# KiCad board kongChoc.kicad_pcb
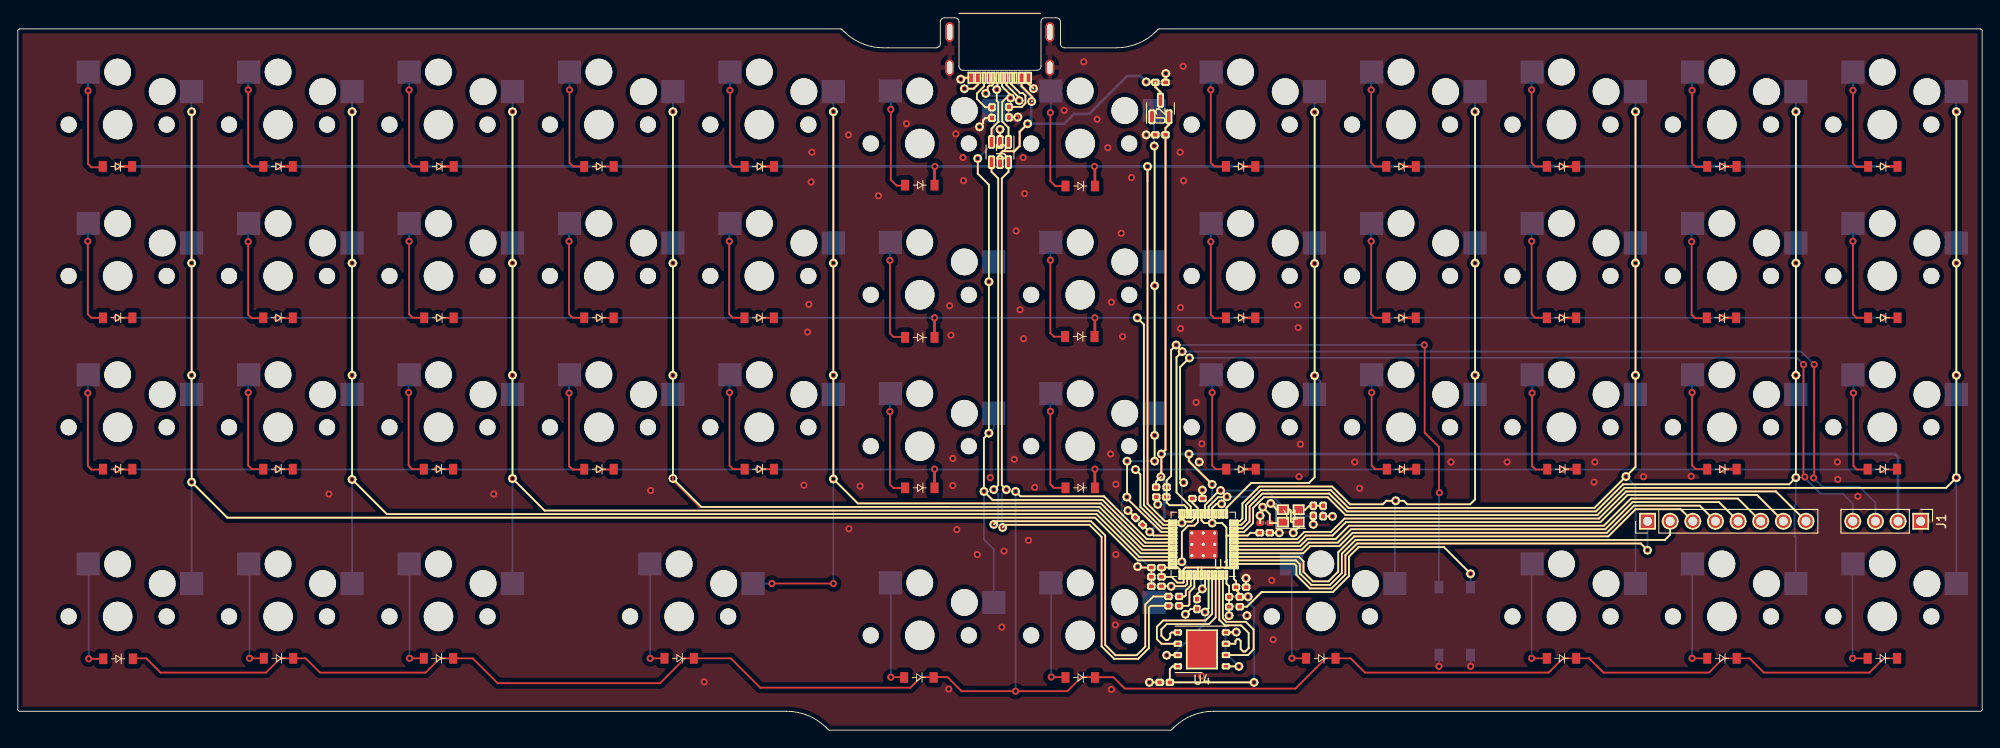
[diagram p0: board, top side]
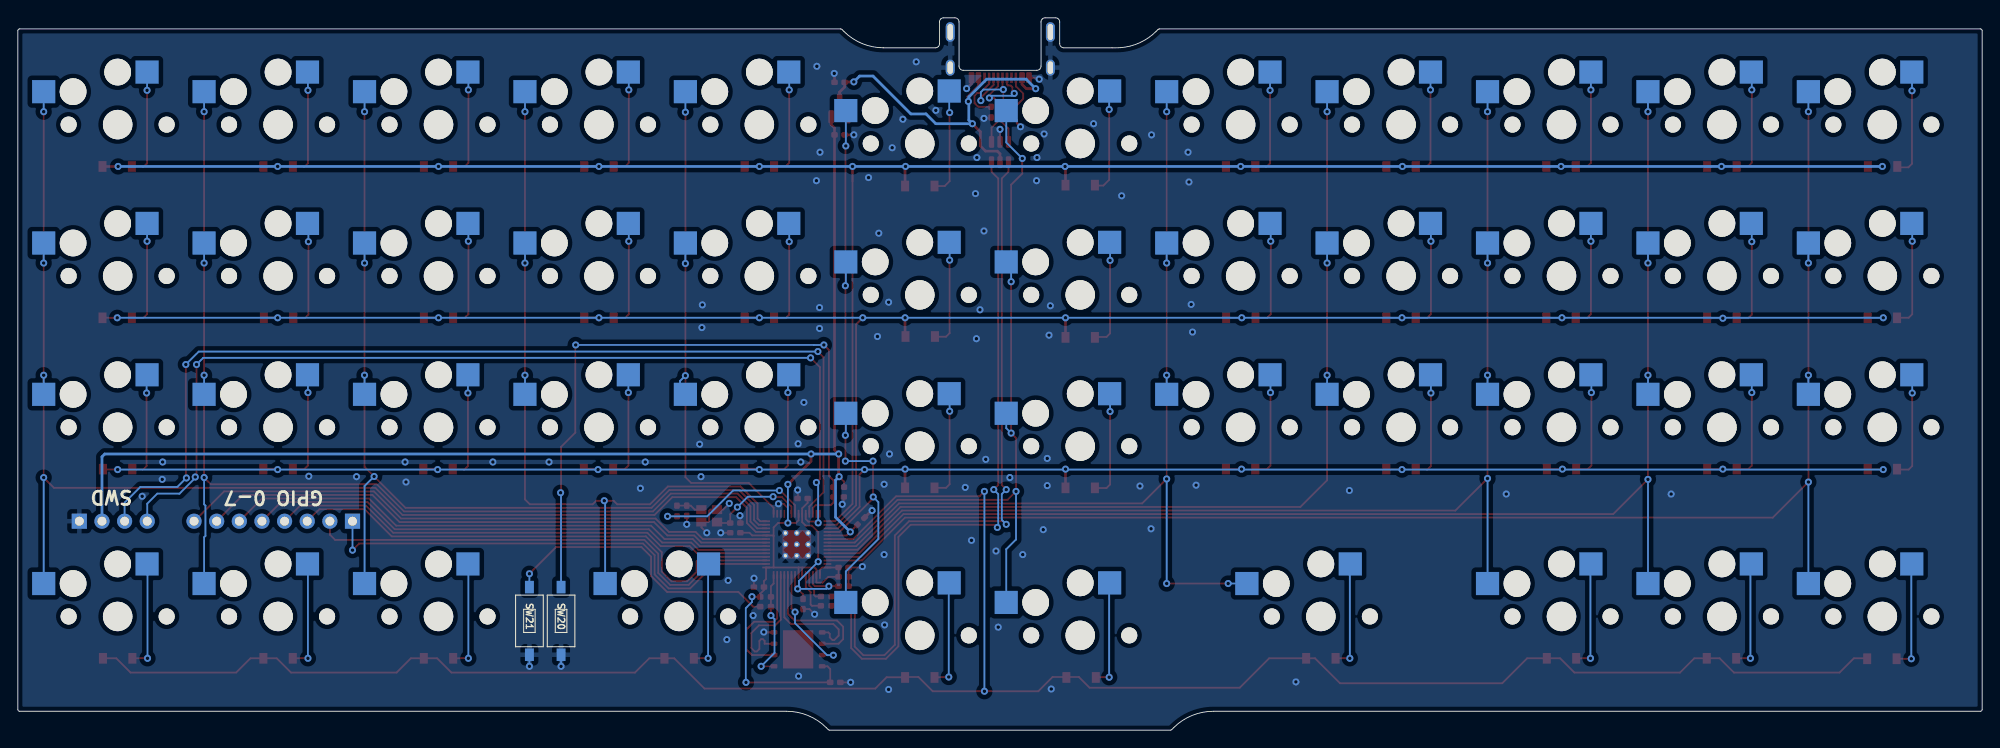
[diagram p1: board, bottom side, seen from below]

Outline 220.4 x 80.02 mm; copper layers: Top, Bottom. Coordinates in mm from the lower left corner of the outline.
Outline path: 0,2.33 0,78.58 ; 0.2,78.78 92.32,78.78 ; 86.26,2.13 0.2,2.13 ; 90.94,0.06 90.72,0.28 ; 92.46,78.72 92.68,78.5 ; 97.6,76.65 103.04,76.65 ; 103.96,80.02 105.14,80.02 ; 105.6,79.56 105.6,74.59 ; 106.06,74.12 114.34,74.12 ; 114.8,74.59 114.8,79.56 ; 115.26,80.02 116.53,80.02 ; 116.99,79.56 116.99,77.11 ; 117.45,76.65 123.26,76.65 ; 127.72,78.5 127.94,78.72 ; 128.08,78.78 220.2,78.78 ; 129.32,0 91.08,0 ; 129.68,0.28 129.46,0.06 ; 220.2,2.13 134.14,2.13 ; 220.4,78.58 220.4,2.33
Stack: Top 0.035mm / dielectric 0.91mm FR4 er 4.5 / Bottom 0.035mm

## Placement (name value [footprint] x y rotation side)
C1  27pF  [C_0402_HandSolder]  139.9 23.27 0 top
C2  27pF  [C_0402_HandSolder]  145.35 24.65 90 top
C3  100nF  [C_0402_HandSolder]  128.3 26.2 180 top
C4  100nF  [C_0402_HandSolder]  132.35 26.02 0 top
C5  100nF  [C_0402_HandSolder]  132.3 14.17 270 top
C6  1uF  [C_0402_HandSolder]  127.75 16.17 180 top
C7  1uF  [C_0402_HandSolder]  127.75 17.22 180 top
C8  100nF  [C_0402_HandSolder]  127.75 18.27 180 top
C9  100nF  [C_0402_HandSolder]  137.25 16.07 0 top
C10  100nF  [C_0402_HandSolder]  125.8 23.47 135 top
C11  100nF  [C_0402_HandSolder]  139.9 22.17 0 top
C12  1uF  [C_0402_HandSolder]  128.2 72.77 0 top
C13  1uF  [C_0402_HandSolder]  128.2 66.87 180 top
C14  100nF  [C_0402_HandSolder]  128.68 5.37 180 top
D1  D  [D_SOD-123]  11.17 63.32 180 top
D2  D  [D_SOD-123]  11.2 46.32 180 top
D3  D  [D_SOD-123]  11.2 29.32 180 top
D4  D  [D_SOD-123]  11.25 8.02 180 top
D5  D  [D_SOD-123]  29.2 63.32 180 top
D6  D  [D_SOD-123]  29.2 46.32 180 top
D7  D  [D_SOD-123]  29.2 29.32 180 top
D8  D  [D_SOD-123]  29.25 8.07 180 top
D9  D  [D_SOD-123]  47.2 8.07 180 top
D10  D  [D_SOD-123]  47.25 63.32 180 top
D11  D  [D_SOD-123]  47.25 46.32 180 top
D12  D  [D_SOD-123]  47.2 29.32 180 top
D13  D  [D_SOD-123]  65.2 63.32 180 top
D14  D  [D_SOD-123]  65.2 46.32 180 top
D15  D  [D_SOD-123]  65.2 29.32 180 top
D16  D  [D_SOD-123]  83.2 63.32 180 top
D17  D  [D_SOD-123]  83.17 46.32 180 top
D18  D  [D_SOD-123]  83.2 29.32 180 top
D19  D  [D_SOD-123]  74.2 8.07 180 top
D20  D  [D_SOD-123]  101.2 61.22 180 top
D21  D  [D_SOD-123]  101.2 44.12 180 top
D22  D  [D_SOD-123]  101.2 27.22 180 top
D23  D  [D_SOD-123]  101.1 5.92 180 top
D24  D  [D_SOD-123]  119.2 61.12 180 top
D25  D  [D_SOD-123]  119.15 44.22 180 top
D26  D  [D_SOD-123]  119.2 27.22 180 top
D27  D  [D_SOD-123]  119.2 5.92 180 top
D28  D  [D_SOD-123]  137.2 63.32 180 top
D29  D  [D_SOD-123]  137.2 46.32 180 top
D30  D  [D_SOD-123]  137.25 29.32 180 top
D32  D  [D_SOD-123]  155.2 63.32 180 top
D33  D  [D_SOD-123]  155.2 46.32 180 top
D34  D  [D_SOD-123]  155.25 29.32 180 top
D35  D  [D_SOD-123]  173.2 63.32 180 top
D36  D  [D_SOD-123]  173.2 46.32 180 top
D37  D  [D_SOD-123]  173.25 29.32 180 top
D38  D  [D_SOD-123]  173.2 8.07 180 top
D39  D  [D_SOD-123]  191.2 63.32 180 top
D40  D  [D_SOD-123]  191.15 46.32 180 top
D41  D  [D_SOD-123]  191.2 29.32 180 top
D42  D  [D_SOD-123]  191.2 8.07 180 top
D43  D  [D_SOD-123]  209.25 63.32 180 top
D44  D  [D_SOD-123]  209.25 46.32 180 top
D45  D  [D_SOD-123]  209.2 29.32 180 top
D46  D  [D_SOD-123]  209.2 8.07 180 top
D48  D  [D_SOD-123]  146.2 8.07 180 top
J1  BL_CONN  [PinHeader_1x04_P2.54mm_Vertical]  213.5 23.47 270 top
J3  USB_C_Receptacle_USB2.0  [USB-C-12-Pin-MidMount]  110.17 80.52 0 top
J4  Conn_01x08  [PinHeader_1x08_P2.54mm_Vertical]  182.85 23.47 90 top
R1  1k  [R_0402_HandSolder]  128.3 27.3 0 top
R2  1k  [R_0402_HandSolder]  146.45 24.62 270 top
R3  27R  [R_0402_HandSolder]  129.7 13.97 180 top
R4  27R  [R_0402_HandSolder]  129.7 15.02 180 top
R5  1k  [R_0402_HandSolder]  136.5 13.87 0 top
R6  5.1k  [R_0402_HandSolder]  111.2 69.42 270 top
R7  5.1k  [R_0402_HandSolder]  109.3 69.37 270 top
R8  10k  [R_0402_HandSolder]  136.5 14.97 0 top
SW1  SW_Push  [ChocV1_V2_Hotswap]  11.2 68.02 180 top
SW2  SW_Push  [ChocV1_V2_Hotswap]  11.2 51.02 180 top
SW3  SW_Push  [ChocV1_V2_Hotswap]  11.2 34.02 180 top
SW4  SW_Push  [ChocV1_V2_Hotswap]  11.2 12.77 180 top
SW5  SW_Push  [ChocV1_V2_Hotswap]  29.2 68.02 180 top
SW6  SW_Push  [ChocV1_V2_Hotswap]  29.2 51.02 180 top
SW7  SW_Push  [ChocV1_V2_Hotswap]  29.2 34.02 180 top
SW8  SW_Push  [ChocV1_V2_Hotswap]  29.2 12.77 180 top
SW9  SW_Push  [ChocV1_V2_Hotswap]  47.2 68.02 180 top
SW10  SW_Push  [ChocV1_V2_Hotswap]  47.2 51.02 180 top
SW11  SW_Push  [ChocV1_V2_Hotswap]  47.2 34.02 180 top
SW12  SW_Push  [ChocV1_V2_Hotswap]  47.2 12.77 180 top
SW13  SW_Push  [ChocV1_V2_Hotswap]  65.2 68.02 180 top
SW14  SW_Push  [ChocV1_V2_Hotswap]  65.2 51.02 180 top
SW15  SW_Push  [ChocV1_V2_Hotswap]  65.2 34.02 180 top
SW16  SW_Push  [ChocV1_V2_Hotswap]  83.2 68.02 180 top
SW17  SW_Push  [ChocV1_V2_Hotswap]  83.2 51.02 180 top
SW18  SW_Push  [ChocV1_V2_Hotswap]  83.2 34.02 180 top
SW20  SW_Push  [Micro_Push_Button_3x6x2.5mm]  159.45 12.27 90 bottom
SW21  SW_Push  [Micro_Push_Button_3x6x2.5mm]  163 12.27 90 bottom
SW23  SW_Push  [ChocV1_V2_Hotswap]  101.2 65.9 180 top
SW24  SW_Push  [ChocV1_V2_Hotswap]  101.2 48.9 180 top
SW25  SW_Push  [ChocV1_V2_Hotswap]  101.2 31.9 180 top
SW26  SW_Push  [ChocV1_V2_Hotswap]  101.2 10.65 180 top
SW29  SW_Push  [ChocV1_V2_Hotswap_2u]  74.2 12.77 180 top
SW30  SW_Push  [ChocV1_V2_Hotswap]  119.2 65.9 180 top
SW31  SW_Push  [ChocV1_V2_Hotswap]  119.2 48.9 180 top
SW32  SW_Push  [ChocV1_V2_Hotswap]  119.2 31.9 180 top
SW33  SW_Push  [ChocV1_V2_Hotswap]  119.2 10.65 180 top
SW34  SW_Push  [ChocV1_V2_Hotswap_2u]  146.2 12.77 180 top
SW37  SW_Push  [ChocV1_V2_Hotswap]  137.2 68.02 180 top
SW38  SW_Push  [ChocV1_V2_Hotswap]  137.2 51.02 180 top
SW39  SW_Push  [ChocV1_V2_Hotswap]  137.2 34.02 180 top
SW41  SW_Push  [ChocV1_V2_Hotswap]  155.2 68.02 180 top
SW42  SW_Push  [ChocV1_V2_Hotswap]  155.2 51.02 180 top
SW43  SW_Push  [ChocV1_V2_Hotswap]  155.2 34.02 180 top
SW44  SW_Push  [ChocV1_V2_Hotswap]  173.2 68.02 180 top
SW45  SW_Push  [ChocV1_V2_Hotswap]  173.2 51.02 180 top
SW46  SW_Push  [ChocV1_V2_Hotswap]  173.2 34.02 180 top
SW47  SW_Push  [ChocV1_V2_Hotswap]  173.2 12.77 180 top
SW48  SW_Push  [ChocV1_V2_Hotswap]  191.2 68.02 180 top
SW49  SW_Push  [ChocV1_V2_Hotswap]  191.2 51.02 180 top
SW50  SW_Push  [ChocV1_V2_Hotswap]  191.2 34.02 180 top
SW51  SW_Push  [ChocV1_V2_Hotswap]  191.2 12.77 180 top
SW52  SW_Push  [ChocV1_V2_Hotswap]  209.2 68.02 180 top
SW53  SW_Push  [ChocV1_V2_Hotswap]  209.2 51.02 180 top
SW54  SW_Push  [ChocV1_V2_Hotswap]  209.2 34.02 180 top
SW55  SW_Push  [ChocV1_V2_Hotswap]  209.2 12.77 180 top
U1  RP2040  [RP2040-QFN-56]  133 20.87 180 top
U2  XC6206PxxxMR  [SOT-23]  128.2 69.84 90 top
U3  USBLC6-2SC6  [SOT-23-6]  110.2 64.94 270 top
U4  W25Q128JVS  [WSON-8-1EP_6x5mm_P1.27mm_EP3.4x4.3mm]  132.85 9.08 180 top
Y1  Crystal_GND24_Small  [Crystal_SMD_2520-4Pin_2.5x2.0mm]  142.82 24.07 0 top

## Footprints (pads in the part's own frame, mm; a bottom-side part is the same pattern mirrored in y, then rotated)
C_0402_HandSolder
  rrect 0.735x0.62 smd: 1(-0.568,0) 2(0.568,0)
ChocV1_V2_Hotswap
  round 1.8 hole 1.8 unplated: (-5.5,0) (5.5,0)
  round 3 hole 3 unplated: (-5,-3.7) (0,-5.9)
  round 3.3 hole 3.3 unplated: (0,0)
  rect 2.6x2.6 smd far side: 1(-8.3,-3.7) 2(3.3,-5.9)
ChocV1_V2_Hotswap_2u
  round 1.8 hole 1.8 unplated: (-5.5,0) (5.5,0)
  round 3 hole 3 unplated: (-5,-3.7) (0,-5.9)
  round 3.3 hole 3.3 unplated: (0,0)
  rect 2.6x2.6 smd far side: 1(-8.3,-3.7) 2(3.3,-5.9)
Crystal_SMD_2520-4Pin_2.5x2.0mm
  rect 1.15x1 smd: 1(-0.875,-0.7) 2(0.875,-0.7) 3(0.875,0.7) 4(-0.875,0.7)
D_SOD-123
  rect 0.9x1.2 smd: 1(-1.65,0) 2(1.65,0)
Micro_Push_Button_3x6x2.5mm
  rect 1.4x1 smd: 1(-3.8,0) 2(3.8,0)
PinHeader_1x04_P2.54mm_Vertical
  rect 1.7x1.7 hole 1: 1(0,0)
  oval 1.7x1.7 hole 1: 2(0,-2.54) 3(0,-5.08) 4(0,-7.62)
PinHeader_1x08_P2.54mm_Vertical
  rect 1.7x1.7 hole 1: 1(0,0)
  oval 1.7x1.7 hole 1: 2(0,-2.54) 3(0,-5.08) 4(0,-7.62) 5(0,-10.16) 6(0,-12.7) 7(0,-15.24) 8(0,-17.78)
R_0402_HandSolder
  rrect 0.715x0.64 smd: 1(-0.598,0) 2(0.598,0)
RP2040-QFN-56
  rrect 1.084x1.084 smd: (-0.637,0.637) (-0.637,-0.637) (0.637,0.637) (0.637,-0.637)
  rrect 0.875x0.2 smd: 1(-3.438,2.6) 2(-3.438,2.2) 3(-3.438,1.8) 4(-3.438,1.4) 5(-3.438,1) 6(-3.438,0.6) 7(-3.438,0.2) 8(-3.438,-0.2) 9(-3.438,-0.6) 10(-3.438,-1) 11(-3.438,-1.4) 12(-3.438,-1.8) 13(-3.438,-2.2) 14(-3.438,-2.6) 29(3.438,-2.6) 30(3.438,-2.2) 31(3.438,-1.8) 32(3.438,-1.4) 33(3.438,-1) 34(3.438,-0.6) 35(3.438,-0.2) 36(3.438,0.2) 37(3.438,0.6) 38(3.438,1) 39(3.438,1.4) 40(3.438,1.8) 41(3.438,2.2) 42(3.438,2.6)
  rrect 0.2x0.875 smd: 15(-2.6,-3.438) 16(-2.2,-3.438) 17(-1.8,-3.438) 18(-1.4,-3.438) 19(-1,-3.438) 20(-0.6,-3.438) 21(-0.2,-3.438) 22(0.2,-3.438) 23(0.6,-3.438) 24(1,-3.438) 25(1.4,-3.438) 26(1.8,-3.438) 27(2.2,-3.438) 28(2.6,-3.438) 43(2.6,3.438) 44(2.2,3.438) 45(1.8,3.438) 46(1.4,3.438) 47(1,3.438) 48(0.6,3.438) 49(0.2,3.438) 50(-0.2,3.438) 51(-0.6,3.438) 52(-1,3.438) 53(-1.4,3.438) 54(-1.8,3.438) 55(-2.2,3.438) 56(-2.6,3.438)
  round 0.65 hole 0.35: 57(-1.275,1.275) 57(-1.275,0) 57(-1.275,-1.275) 57(0,1.275) 57(0,0) 57(0,-1.275) 57(1.275,1.275) 57(1.275,0) 57(1.275,-1.275)
  rrect 3.2x3.2 smd: 57(0,0)
SOT-23
  rrect 1.475x0.6 smd: 1(-0.938,0.95) 2(-0.938,-0.95) 3(0.938,0)
SOT-23-6
  rrect 1.325x0.6 smd: 1(-1.137,0.95) 2(-1.137,0) 3(-1.137,-0.95) 4(1.137,-0.95) 5(1.137,0) 6(1.137,0.95)
USB-C-12-Pin-MidMount
  rect 0.6x1.15 smd: A1(3.225,-7.235) A4(2.45,-7.235) A9(-2.45,-7.235) A12(-3.225,-7.235) B1(-3.225,-7.235) B4(-2.45,-7.235) B9(2.45,-7.235) B12(3.225,-7.235)
  rect 0.3x1.15 smd: A5(1.25,-7.235) A6(0.25,-7.235) A7(-0.25,-7.235) A8(-1.25,-7.235) B5(-1.75,-7.235) B6(-0.75,-7.235) B7(0.75,-7.235) B8(1.75,-7.235)
  oval 1x2.2 hole 0.6x1.8: S1(-5.62,-2.1) S1(5.62,-2.1)
  oval 1x1.8 hole 0.6x1.4: S1(-5.62,-6.1) S1(5.62,-6.1)
WSON-8-1EP_6x5mm_P1.27mm_EP3.4x4.3mm
  rrect 1.37x1.73 smd: (-0.85,1.075) (-0.85,-1.075) (0.85,1.075) (0.85,-1.075)
  rrect 0.75x0.5 smd: 1(-2.7,1.905) 2(-2.7,0.635) 3(-2.7,-0.635) 4(-2.7,-1.905) 5(2.7,-1.905) 6(2.7,-0.635) 7(2.7,0.635) 8(2.7,1.905)
  rect 3.4x4.3 smd: 9(0,0)

## Nets
+1V1: C4.1 C5.1 C6.1 U1.23 U1.45 U1.50
+3.3V: C7.1 C8.1 C9.1 C10.1 C11.1 C13.1 C14.1 J1.2 R1.1 R8.2 U1.1 U1.10 U1.22 U1.33 U1.42 U1.43 U1.44 U1.48 U1.49 U2.2 U4.8
GND: C1.1 C2.1 C3.2 C4.2 C5.2 C6.2 C7.2 C8.2 C9.2 C10.2 C11.2 C12.2 C13.2 C14.2 J1.1 J3.A1 J3.A12 J3.B1 J3.B12 J3.S1 R6.2 R7.2 SW20.1 SW21.1 U1.19 U1.57 U2.1 U3.2 U4.4 Y1.2 Y1.4
VBUS: C12.1 J3.A4 J3.A9 J3.B4 J3.B9 U2.3 U3.5
Col_1: SW1.1 SW2.1 SW3.1 SW4.1 U1.40
Col_2: SW5.1 SW6.1 SW7.1 SW8.1 U1.39
Col_3: SW9.1 SW10.1 SW11.1 SW12.1 U1.38
Col_4: SW13.1 SW14.1 SW15.1 U1.37
Col_5: SW16.1 SW17.1 SW18.1 SW29.1 U1.36
Col_6: SW23.1 SW24.1 SW25.1 SW26.1 U1.35
Col_7: SW30.1 SW31.1 SW32.1 SW33.1 U1.32
Col_8: SW37.1 SW38.1 SW39.1 U1.15
Col_9: SW34.1 SW41.1 SW42.1 SW43.1 U1.14
Col_10: SW44.1 SW45.1 SW46.1 SW47.1 U1.13
Col_11: SW48.1 SW49.1 SW50.1 SW51.1 U1.12
Col_12: SW52.1 SW53.1 SW54.1 SW55.1 U1.11
D+: R3.2 U3.6
D-: R4.2 U3.4
QSPI_SCLK: U1.52 U4.6
QSPI_SD0: U1.53 U4.5
QSPI_SD1: U1.55 U4.2
QSPI_SD2: U1.54 U4.3
QSPI_SD3: U1.51 U4.7
QSPI_SS: R5.1 R8.1 U1.56 U4.1
Row_1: D1.1 D5.1 D10.1 D13.1 D16.1 D20.1 D24.1 D28.1 D32.1 D35.1 D39.1 D43.1 U1.29
Row_2: D2.1 D6.1 D11.1 D14.1 D17.1 D21.1 D25.1 D29.1 D33.1 D36.1 D40.1 D44.1 U1.30
Row_3: D3.1 D7.1 D12.1 D15.1 D18.1 D22.1 D26.1 D30.1 D34.1 D37.1 D41.1 D45.1 U1.31
Row_4: D4.1 D8.1 D9.1 D19.1 D23.1 D27.1 D38.1 D42.1 D46.1 D48.1 U1.34
Net-(C1-Pad2): C1.2 U1.20 Y1.1
Net-(C2-Pad2): C2.2 R2.1 Y1.3
Net-(C3-Pad1): C3.1 R1.2 SW20.2 U1.26
Net-(D1-Pad2): D1.2 SW1.2
Net-(D2-Pad2): D2.2 SW2.2
Net-(D3-Pad2): D3.2 SW3.2
Net-(D4-Pad2): D4.2 SW4.2
Net-(D5-Pad2): D5.2 SW5.2
Net-(D6-Pad2): D6.2 SW6.2
Net-(D7-Pad2): D7.2 SW7.2
Net-(D8-Pad2): D8.2 SW8.2
Net-(D9-Pad2): D9.2 SW12.2
Net-(D10-Pad2): D10.2 SW9.2
Net-(D11-Pad2): D11.2 SW10.2
Net-(D12-Pad2): D12.2 SW11.2
Net-(D13-Pad2): D13.2 SW13.2
Net-(D14-Pad2): D14.2 SW14.2
Net-(D15-Pad2): D15.2 SW15.2
Net-(D16-Pad2): D16.2 SW16.2
Net-(D17-Pad2): D17.2 SW17.2
Net-(D18-Pad2): D18.2 SW18.2
Net-(D19-Pad2): D19.2 SW29.2
Net-(D20-Pad2): D20.2 SW23.2
Net-(D21-Pad2): D21.2 SW24.2
Net-(D22-Pad2): D22.2 SW25.2
Net-(D23-Pad2): D23.2 SW26.2
Net-(D24-Pad2): D24.2 SW30.2
Net-(D25-Pad2): D25.2 SW31.2
Net-(D26-Pad2): D26.2 SW32.2
Net-(D27-Pad2): D27.2 SW33.2
Net-(D28-Pad2): D28.2 SW37.2
Net-(D29-Pad2): D29.2 SW38.2
Net-(D30-Pad2): D30.2 SW39.2
Net-(D32-Pad2): D32.2 SW41.2
Net-(D33-Pad2): D33.2 SW42.2
Net-(D34-Pad2): D34.2 SW43.2
Net-(D35-Pad2): D35.2 SW44.2
Net-(D36-Pad2): D36.2 SW45.2
Net-(D37-Pad2): D37.2 SW46.2
Net-(D38-Pad2): D38.2 SW47.2
Net-(D39-Pad2): D39.2 SW48.2
Net-(D40-Pad2): D40.2 SW49.2
Net-(D41-Pad2): D41.2 SW50.2
Net-(D42-Pad2): D42.2 SW51.2
Net-(D43-Pad2): D43.2 SW52.2
Net-(D44-Pad2): D44.2 SW53.2
Net-(D45-Pad2): D45.2 SW54.2
Net-(D46-Pad2): D46.2 SW55.2
Net-(D48-Pad2): D48.2 SW34.2
Net-(J1-Pad3): J1.3 U1.25
Net-(J1-Pad4): J1.4 U1.24
Net-(J3-PadA5): J3.A5 R6.1
Net-(J3-PadA6): J3.A6 J3.B6 U3.1
Net-(J3-PadA7): J3.A7 J3.B7 U3.3
Net-(J3-PadB5): J3.B5 R7.1
Net-(J4-Pad1): J4.1 U1.2
Net-(J4-Pad2): J4.2 U1.3
Net-(J4-Pad3): J4.3 U1.4
Net-(J4-Pad4): J4.4 U1.5
Net-(J4-Pad5): J4.5 U1.6
Net-(J4-Pad6): J4.6 U1.7
Net-(J4-Pad7): J4.7 U1.8
Net-(J4-Pad8): J4.8 U1.9
Net-(R2-Pad2): R2.2 U1.21
Net-(R3-Pad1): R3.1 U1.47
Net-(R4-Pad1): R4.1 U1.46
Net-(R5-Pad2): R5.2 SW21.2

Pads without a net: J3 A8 B8; U1 16 17 18 27 28 41; U4 9

## Via types
v1: diameter 0.8, hole 0.4, Top to Bottom, 279 vias

## Routing (per net, layer and track width the routed paths; a pad name or vN(x,y) marks a point on that pad's centre or on a via; arc(x,y) is an arc through that point)
+1V1: length 23
  Top w0.2: U1.45 131.2,16.41 130.97,16.17 v1(129.4,16.17) C6.1 ; v1(130.6,18.93) 130.6,22.28 131.3,22.97 132,22.97 132.4,23.37 U1.23 132.4,24.92 131.78,25.54 C4.1 ; C5.1 132.3,15.27 v1(132.9,15.87) 133.2,16.17 U1.50
  Bottom w0.2: v1(132.9,15.87) 129.7,15.87 v1(129.4,16.17) ; v1(130.6,18.93) 132.76,16.77 132.76,16.02
+3.3V: length 205.9
  Top w0.2: U1.10 135.65,21.87 135.6,21.82 ; 135.6,21.82 135.6,18.27 ; 135.6,21.82 135.6,22.77 135.1,23.27 v1(134,23.27) 133.1,23.27 132.8,23.57 U1.22 ; 135.6,18.27 132.8,18.27 ; 135.6,18.27 U1.1 136.45,18.26 136.45,16.97 136.68,16.74 C9.1 136.68,15.74 137.09,15.33 R8.2 138.01,14.97 v1(138.03,14.99) ; C10.1 v1(127,22.27) 127.4,21.87 129.46,21.87 ; U1.48 132.4,18.27 ; 132.4,18.27 131,18.27 130.8,18.07 130.8,16.62 130.75,16.57 130.1,16.57 129.45,17.22 128.42,17.22 ; 132.4,18.27 132.8,18.27 ; U4.8 129.55,7.17 129.25,6.87 129.25,5.41 129.28,5.38 ; v1(128.25,28.47) 127.7,27.93 R1.1 ; C7.1 C8.1 U1.42 130.15,18.27 130.4,18.02 U1.43 ; 132.8,18.27 U1.49 ; C11.1 138.3,22.17 138,21.87 136.34,21.87 ; v1(138.7,5.37) C14.1
  Top w0.3: U2.2 129.15,68.02 128.77,67.64 C13.1 128.77,31.49 v1(128.3,31.02) 128.3,28.52 v1(128.25,28.47) ; v1(134,27.61) 131.4,30.21 v1(131.4,31.02)
  Bottom w0.2: v1(138.03,14.99) 138.03,14.4 138.72,13.71 138.72,5.54 138.7,5.52 v1(138.7,5.37) ; v1(134,27.61) 134,23.32
  Bottom w0.3: v1(128.3,31.02) v1(131.4,31.02) 210.65,31.02 210.96,30.71 J1.2 ; v1(127,22.27) 128.65,23.92 128.65,28.07 v1(128.25,28.47)
GND: length 35.3
  Top w0.2: Y1.4 142.72,24.77 142.82,24.67 142.82,23.47 142.92,23.37 Y1.2 143.7,22.77 v1(143.1,22.17) ; v1(131,13.02) 131.58,13.61 C5.2 ; v1(126.96,5.38) 126.96,5.37 128.14,5.37 ; 140.5,22.17 v1(141.53,22.17) ; 132.87,25.97 132.87,26.94 v1(132.9,26.97) ; v1(105.8,73.12) 105.96,73.29 J3.A12 ; U1.19 134,24.94 134.49,25.43 v1(135.06,25.43) ; C6.2 C8.2 125.74,18.27 v1(125.64,18.38) ; v1(137.8,17.07) 137.82,17.06 C9.2 ; v1(127.9,25.37) 127.73,25.54 C3.2 ; v1(112,68.72) 111.2,68.72 111.15,68.78 ; 142.8,24.67 142.7,24.77 141.27,24.77 v1(140.57,25.47) ; C2.1 v1(145.35,23.12) ; v1(139.38,24.1) 139.33,24.05 139.33,23.27 ; U3.2 v1(110.2,67.49)
  Top w0.25: 109.3,68.78 108.55,68.78 108.3,68.52 108.3,68.18 v1(107.9,67.78) ; U4.4 136.66,10.98 v1(136.7,11.02)
  Top w0.3: C12.2 128.77,73.74 v1(128.8,73.77) ; 125.6,23.68 124.6,24.67 v1(124.55,24.67) ; v1(113.95,72.07) 113.39,72.63 J3.A1 ; C13.2 v1(126.6,66.87)
  Bottom w0.2: SW20.1 v1(159.45,7.17) ; SW21.1 v1(163,7.17)
  vias: v1(34.9,26.52) v1(53.4,26.52) v1(71,26.92) v1(77,5.42) v1(88.2,27.52) v1(88.6,44.72) v1(88.75,47.82) v1(89,61.57) v1(89.1,64.92) v1(93.2,66.87) v1(93.25,22.62) v1(94.5,27.42) v1(96.55,60.02) v1(99.7,68.12) v1(104.45,4.62) v1(104.55,47.67) v1(104.7,44.37) v1(104.9,30.52) v1(104.9,27.47) v1(105.25,66.97) v1(105.35,22.52) v1(106.05,64.32) v1(106.1,61.72) v1(107.65,19.72) v1(109.1,28.37) v1(110.4,11.57) v1(110.65,20.12) v1(111.8,30.42) v1(112,56.07) v1(112.45,47.22) v1(112.8,64.32) v1(112.85,43.97) v1(112.95,60.27) v1(113.4,21.32) v1(114.1,27.27) v1(117.4,69.62) v1(119.6,75.07) v1(121.1,68.62) v1(122.3,65.42) v1(122.6,31.02) v1(122.7,48.07) v1(122.7,4.57) v1(123.15,11.82) v1(123.2,27.62) v1(123.2,19.72) v1(123.8,55.82) v1(123.95,44.22) v1(124.95,62.07) v1(130.4,64.92) v1(130.45,47.47) v1(130.45,45.12) v1(130.75,74.57) v1(130.8,61.72) v1(132.2,36.82) v1(132.55,30.12) v1(132.8,6.07) v1(132.85,32.17) v1(137.9,12.87) v1(140.7,16.82) v1(140.85,10.17) v1(143.6,47.77) v1(143.65,45.22) v1(143.75,28.47) v1(143.9,32.12) v1(150,30.12) v1(150.55,27.17) v1(160.8,30.12) v1(167.1,30.12) v1(176.85,27.87) v1(176.95,30.12) v1(182.4,28.47) v1(187.75,28.52) v1(204.15,30.12) v1(204.2,28.17) v1(206.45,26.27)
VBUS: length 43
  Top w0.3: v1(106.2,72.06) 107.23,72.06 107.72,72.54 J3.A9 ; U2.3 128.2,71.67 127.63,72.24 C12.1 127.6,72.81 126.62,72.81 v1(126.6,72.82) ; v1(113.3,68.12) 112.4,67.22 112.4,65.62 111.82,65.04 110.5,65.04 110.2,64.74 U3.5 ; v1(113.75,70.62) 113.8,70.67 113.8,71.16 112.62,72.34 J3.A4
  Bottom w0.3: v1(126.6,72.82) 125.95,73.47 124.45,73.47 120.2,69.22 118.5,69.22 117.4,68.12 v1(113.3,68.12) 113.7,68.52 113.7,71.12 111.7,73.12 107.26,73.12 v1(106.2,72.06)
Col_1: length 173.3
  Top w0.2: v1(19.5,69.47) v1(19.5,52.47) v1(19.5,39.87) v1(19.5,27.87) 23.5,23.87 120.87,23.87 125.67,19.07 129.46,19.07
  Bottom w0.2: v1(19.5,27.87) SW4.1 ; SW3.1 v1(19.5,39.87) ; SW1.1 v1(19.5,69.47) ; SW2.1 v1(19.5,52.47)
Col_2: length 155.2
  Top w0.2: v1(37.5,69.47) v1(37.5,52.47) v1(37.5,39.87) v1(37.5,28.17) 41.4,24.27 121.03,24.27 125.83,19.47 129.46,19.47
  Bottom w0.2: SW6.1 v1(37.5,52.47) ; SW5.1 v1(37.5,69.47) ; SW7.1 v1(37.5,39.87) ; v1(37.5,28.17) SW8.1
Col_3: length 137.1
  Top w0.2: 129.46,19.87 126,19.87 121.2,24.67 59.1,24.67 v1(55.5,28.27) v1(55.5,39.87) v1(55.5,52.47) v1(55.5,69.47)
  Bottom w0.2: SW11.1 v1(55.5,39.87) ; SW10.1 v1(55.5,52.47) ; SW9.1 v1(55.5,69.47) ; v1(55.5,28.27) SW12.1
Col_4: length 107.2
  Top w0.2: v1(73.5,69.47) v1(73.5,52.47) v1(73.5,39.87) 73.5,28.07 76.5,25.07 121.36,25.07 126.16,20.27 129.46,20.27
  Bottom w0.2: SW13.1 v1(73.5,69.47) ; SW14.1 v1(73.5,52.47) ; SW15.1 v1(73.5,39.87)
Col_5: length 109.7
  Top w0.2: v1(91.5,69.47) v1(91.5,52.47) v1(91.5,39.87) v1(91.5,28.22) 94.25,25.47 121.53,25.47 126.33,20.67 129.46,20.67 ; v1(84.6,16.47) v1(91.5,16.47)
  Bottom w0.2: SW18.1 v1(91.5,39.87) ; SW17.1 v1(91.5,52.47) ; v1(91.5,28.22) v1(91.5,16.47) ; SW16.1 v1(91.5,69.47) ; SW29.1 v1(84.6,16.47)
Col_6: length 85.3
  Top w0.2: v1(107.7,64.22) 107.7,62.52 108.95,61.27 v1(108.95,50.37) v1(108.95,33.37) 108.4,32.82 v1(108.4,26.82) 109.35,25.87 121.69,25.87 126.49,21.07 129.46,21.07
  Bottom w0.2: v1(108.95,33.37) 109.5,33.92 SW25.1 ; SW23.1 109.5,66.02 v1(107.7,64.22) ; 108.95,52.62 v1(108.95,50.37) ; SW26.1 109.5,20.32 108.4,21.42 v1(108.4,26.82)
Col_7: length 72.1
  Top w0.2: v1(127.55,30.22) v1(127.55,33.12) v1(127.55,49.92) 127.55,65.57 v1(127.5,65.62) ; 129.46,22.27 128.2,22.27 124.35,26.12 v1(124.43,26.2) 124.45,26.22 v1(124.45,30.22)
  Bottom w0.2: v1(127.5,65.62) SW30.1 ; SW33.1 127.5,17.82 123.85,21.47 123.85,25.62 v1(124.43,26.2) ; SW31.1 127.5,49.97 v1(127.55,49.92) ; v1(127.55,30.22) v1(124.45,30.22) ; v1(127.55,33.12) 127.5,33.17 SW32.1
Col_8: length 59.9
  Top w0.2: U1.15 135.6,24.98 138.39,27.77 144.85,27.77 145.5,28.42 v1(145.5,39.82) v1(145.5,52.42) v1(145.5,69.42)
  Bottom w0.2: 146.1,37.62 146.1,39.22 v1(145.5,39.82) ; 145.5,71.67 v1(145.5,69.42) ; 145.5,54.67 v1(145.5,52.42)
Col_9: length 90.6
  Top w0.2: U1.14 137.1,23.47 137.4,23.77 137.4,25.47 139.3,27.37 147.47,27.37 149.47,25.37 153.15,25.37 153.55,25.77 v1(154.6,25.77) 155.5,25.77 155.9,25.37 162.95,25.37 163.5,25.92 v1(163.5,39.87) v1(163.5,52.47) v1(163.5,69.47)
  Bottom w0.2: SW42.1 v1(163.5,52.47) ; SW43.1 v1(163.5,39.87) ; SW34.1 154.5,25.67 v1(154.6,25.77) ; SW41.1 v1(163.5,69.47)
Col_10: length 109.4
  Top w0.2: v1(181.5,69.47) v1(181.5,52.47) v1(181.5,39.87) 181.5,29.57 v1(180.42,28.5) 176.9,24.97 149.3,24.97 147.3,26.97 139.47,26.97 137.8,25.31 137.8,23.61 137.27,23.07 U1.13
  Bottom w0.2: SW44.1 v1(181.5,69.47) ; SW46.1 v1(181.5,39.87) ; SW47.1 181.5,27.42 v1(180.42,28.5) ; SW45.1 v1(181.5,52.47)
Col_11: length 127.9
  Top w0.2: U1.12 137.43,22.67 138.2,23.44 138.2,25.14 139.63,26.57 147.13,26.57 149.13,24.57 177.07,24.57 180.12,27.62 198.74,27.62 v1(199.5,28.38) 199.5,28.38 v1(199.5,39.87) v1(199.5,52.47) v1(199.5,69.47)
  Bottom w0.2: SW50.1 v1(199.5,39.87) ; SW49.1 v1(199.5,52.47) ; v1(199.5,28.38) 199.5,28.37 199.5,25.38 199.35,25.22 199.35,21.82 199.5,21.67 SW51.1 ; SW48.1 v1(199.5,69.47)
Col_12: length 145.9
  Top w0.2: U1.11 137.6,22.27 138.6,23.27 138.6,24.98 139.8,26.17 146.97,26.17 148.97,24.17 177.23,24.17 180.28,27.22 216.35,27.22 v1(217.5,28.37) v1(217.5,39.87) v1(217.5,52.47) v1(217.5,69.47)
  Bottom w0.2: SW52.1 v1(217.5,69.47) ; v1(217.5,28.37) SW55.1 ; SW53.1 v1(217.5,52.47) ; SW54.1 v1(217.5,39.87)
D+: length 79.1
  Top w0.2: v1(110.5,22.77) 110.8,23.07 120.23,23.07 121.6,21.71 121.6,9.42 123,8.02 125.7,8.02 126.9,9.22 126.9,13.77 127.1,13.97 R3.2 ; U3.6 111.15,62.72 110.4,61.97 110.4,27.52 v1(110.9,27.02)
  Bottom w0.2: v1(110.5,22.77) 110.4,22.87 110.4,26.52 v1(110.9,27.02)
D-: length 80.3
  Top w0.2: R4.2 127.4,15.02 126.5,14.12 126.5,9.39 125.53,8.42 123.17,8.42 122,9.59 122,21.87 120.4,23.47 109.85,23.47 v1(109.5,23.12) ; v1(109.5,27.02) 110,27.52 110,61.97 109.25,62.72 U3.4
  Bottom w0.2: v1(109.5,27.02) 110,26.52 110,23.62 v1(109.5,23.12)
QSPI_SCLK: length 15.1
  Top w0.2: U4.6 128.31,9.71 127.8,10.22 127.8,11.62 128.5,12.32 133.24,12.32 134,13.08 U1.52
QSPI_SD0: length 14.8
  Top w0.2: U4.5 129.46,10.98 129.3,10.82 129.3,10.42 129,10.12 128.8,10.12 128.3,10.62 128.3,11.32 128.9,11.92 133.65,11.92 134.4,12.67 U1.53
QSPI_SD1: length 14.4
  Top w0.2: U4.2 138.02,8.44 138.65,9.08 138.65,11.31 137.79,12.18 135.59,12.18 135.2,12.57 U1.55
QSPI_SD2: length 14.8
  Top w0.2: U1.54 134.8,12.41 135.43,11.78 137.24,11.78 138.1,10.92 138.1,9.22 137.72,8.84 137.48,8.84 137.2,9.12 137.2,10.02 137,10.22 136.8,10.22 136.61,10.03 136.61,9.71 U4.3
QSPI_SD3: length 12.6
  Top w0.2: v1(133.2,13.27) 133.6,13.67 U1.51 ; U4.7 128.92,8.44 v1(128.9,8.42)
  Bottom w0.2: v1(133.2,13.27) 133.2,12.02 129.6,8.42 v1(128.9,8.42)
QSPI_SS: length 12.6
  Top w0.2: v1(135.9,12.88) 135.9,16.17 135.6,16.47 U1.56 ; U4.1 v1(137,7.17)
  Bottom w0.2: v1(135.9,12.88) 135.5,12.48 135.5,8.67 v1(137,7.17)
Row_1: length 261.9
  Top w0.2: D13.1 v1(65.05,63.32) ; 126.75,61.67 v1(126.75,63.32) ; 126.75,61.67 126.75,63.22 ; 126.75,61.67 126.75,25.42 128.7,23.47 129.46,23.47
  Top w0.3: D16.1 v1(83.2,63.32) ; D39.1 v1(191.25,63.32) ; 102.85,61.17 102.85,63.27 v1(102.9,63.32) ; D5.1 v1(29.25,63.32) ; v1(209.15,63.32) D43.1 ; D28.1 v1(137.2,63.32) ; D1.1 v1(11.2,63.32) ; D10.1 v1(47.25,63.32) ; v1(120.8,63.32) 120.85,63.27 120.85,61.17 ; D32.1 v1(155.2,63.32) ; D35.1 v1(173.2,63.32)
  Bottom w0.3: v1(209.15,63.32) v1(191.25,63.32) v1(173.2,63.32) v1(155.2,63.32) v1(137.2,63.32) v1(126.75,63.32) v1(120.8,63.32) v1(102.9,63.32) v1(83.2,63.32) v1(47.25,63.32) v1(29.25,63.32) v1(11.2,63.32)
Row_2: length 244.7
  Top w0.2: 129.46,23.07 128.53,23.07 126.35,25.26 126.35,45.57 v1(125.6,46.32) ; v1(209.25,46.32) D44.1 ; 30.85,46.27 v1(29.1,46.27) ; D11.1 v1(47.15,46.32) ; D17.1 v1(83.07,46.32) ; D14.1 v1(65.1,46.32) ; D2.1 v1(11.1,46.32)
  Top w0.3: D36.1 v1(173.2,46.32) ; D33.1 v1(155.2,46.32) ; v1(120.85,46.32) 120.85,44.2 ; v1(102.85,46.32) 102.85,44.17 ; D40.1 v1(191.25,46.32) ; D29.1 v1(137.2,46.32)
  Bottom w0.2: v1(209.25,46.32) v1(191.25,46.32) v1(173.2,46.32) v1(155.2,46.32) v1(137.2,46.32) v1(125.6,46.32) v1(120.85,46.32) v1(102.85,46.32) v1(11.1,46.32)
Row_3: length 228.3
  Top w0.2: v1(209.2,29.27) 210.8,29.27 D45.1 ; 12.85,29.27 v1(11.1,29.27) ; D7.1 v1(29.1,29.32) ; 66.85,29.27 v1(65.1,29.27) ; D12.1 v1(47.1,29.32) ; 129.46,22.67 128.37,22.67 125.95,25.09 125.95,28.72 v1(125.4,29.27) ; D18.1 v1(83.1,29.32)
  Top w0.3: D30.1 137.25,29.32 v1(137.2,29.27) ; v1(173.3,29.27) 173.35,29.32 D37.1 ; D41.1 191.3,29.32 v1(191.25,29.27) ; v1(155.3,29.27) 155.35,29.32 D34.1 ; v1(102.85,29.32) 102.85,27.2 ; v1(120.85,29.32) D26.1
  Bottom w0.2: v1(209.2,29.27) v1(191.25,29.27) v1(173.3,29.27) v1(155.3,29.27) v1(137.2,29.27) v1(125.4,29.27) 120.9,29.27 v1(120.85,29.32) 120.8,29.27 102.9,29.27 v1(102.85,29.32) 102.8,29.27 v1(11.1,29.27)
Row_4: length 254.3
  Top w0.2: 120.85,5.97 119.35,5.97 117.75,4.37 v1(111.95,4.37) 105.9,4.37 104.3,5.97 101.35,5.97 100.15,4.77 83.3,4.77 80,8.07 D19.1 74.85,8.07 72.05,5.27 53.85,5.27 51.05,8.07 D9.1 47.35,8.07 45.75,6.47 33.9,6.47 32.3,8.07 30.85,8.07 ; 129.46,21.47 126.66,21.47 121.86,26.27 112.5,26.27 v1(111.95,26.82) ; 120.85,5.95 122.92,5.95 124.2,4.67 143.35,4.67 146.75,8.07 D48.1 149.55,8.07 151.15,6.47 171.75,6.47 173.35,8.07 D38.1 176.3,8.07 177.9,6.47 189.75,6.47 191.35,8.07 D42.1 194.3,8.07 195.9,6.47 207.75,6.47 209.35,8.07 D46.1 ; 12.95,8.07 14.4,8.07 16,6.47 27.85,6.47 29.45,8.07 30.95,8.07
  Bottom w0.2: v1(111.95,26.82) v1(111.95,4.37)
Net-(C1-Pad2): length 11.4
  Top w0.2: Y1.1 141.85,23.27 140.47,23.27 140.47,24.26 v1(139.67,25.06) ; v1(135.66,26.22) 135.61,26.17 134.66,26.17 133.6,25.11 U1.20
  Bottom w0.2: v1(135.66,26.22) 138.5,26.22 v1(139.67,25.06)
Net-(C2-Pad2): length 2.9
  Top w0.2: Y1.3 144.45,24.77 144.9,25.22 C2.2 R2.1
Net-(C3-Pad1): length 77.1
  Top w0.2: U1.26 131.2,24.96 130.88,25.27 129.2,25.27 128.9,25.58 128.9,28.07 129.4,28.57 129.4,42.71 v1(129.96,43.27) ; v1(157.81,43.27) 157.85,43.23 157.85,33.42 159.45,31.82 159.45,26.72 v1(159.5,26.67)
  Bottom w0.2: SW20.2 159.45,26.62 v1(159.5,26.67) ; v1(129.96,43.27) 131.1,43.27 131.1,43.27 v1(157.81,43.27)
Net-(D1-Pad2): length 12.1
  Top w0.2: 9.52,63.22 8.27,63.22 7.87,63.62 v1(7.87,71.82)
  Bottom w0.2: v1(7.87,71.82) 7.87,73.87
Net-(D2-Pad2): length 12.1
  Top w0.2: v1(7.85,54.92) 7.85,46.72 8.25,46.32 9.5,46.32
  Bottom w0.2: v1(7.85,54.92) 7.85,56.97
Net-(D3-Pad2): length 12.1
  Top w0.2: v1(7.85,37.87) 7.85,29.67 8.25,29.27 9.5,29.27
  Bottom w0.2: v1(7.85,37.87) 7.85,39.92
Net-(D4-Pad2): length 12.2
  Top w0.2: v1(7.95,8.02) D4.2
  Bottom w0.2: 7.95,18.62 v1(7.95,8.02)
Net-(D5-Pad2): length 12.1
  Top w0.2: 27.5,63.32 26.25,63.32 25.85,63.72 v1(25.85,71.92)
  Bottom w0.2: v1(25.85,71.92) 25.85,73.97
Net-(D6-Pad2): length 12.1
  Top w0.2: 27.5,46.27 26.25,46.27 25.85,46.67 v1(25.85,54.87)
  Bottom w0.2: v1(25.85,54.87) 25.85,56.92
Net-(D7-Pad2): length 12.1
  Top w0.2: v1(25.85,37.92) 25.85,29.72 26.25,29.32 27.5,29.32
  Bottom w0.2: v1(25.85,37.92) 25.85,39.97
Net-(D8-Pad2): length 12.2
  Top w0.2: v1(26,8.07) 27.65,8.07
  Bottom w0.2: 26,18.67 v1(26,8.07)
Net-(D9-Pad2): length 12.2
  Top w0.2: v1(43.95,8.07) 45.6,8.07
  Bottom w0.2: 43.95,18.67 v1(43.95,8.07)
Net-(D10-Pad2): length 12.1
  Top w0.2: v1(43.9,71.92) 43.9,63.72 44.3,63.32 45.55,63.32
  Bottom w0.2: v1(43.9,71.92) 43.9,73.97
Net-(D11-Pad2): length 12.1
  Top w0.2: 45.55,46.32 44.3,46.32 43.9,46.72 v1(43.9,54.92)
  Bottom w0.2: v1(43.9,54.92) 43.9,56.97
Net-(D12-Pad2): length 12.1
  Top w0.2: 45.5,29.32 44.25,29.32 43.85,29.72 v1(43.85,37.92)
  Bottom w0.2: v1(43.85,37.92) 43.85,39.97
Net-(D13-Pad2): length 12.1
  Top w0.2: v1(61.9,71.92) 61.9,63.72 62.3,63.32 D13.2
  Bottom w0.2: v1(61.9,71.92) 61.9,73.97
Net-(D14-Pad2): length 12.1
  Top w0.2: v1(61.85,54.92) 61.85,46.72 62.25,46.32 63.5,46.32
  Bottom w0.2: v1(61.85,54.92) 61.85,56.97
Net-(D15-Pad2): length 12.1
  Top w0.2: v1(61.85,37.87) 61.85,29.67 62.25,29.27 63.5,29.27
  Bottom w0.2: v1(61.85,37.87) 61.85,39.92
Net-(D16-Pad2): length 12.1
  Top w0.2: v1(79.9,71.87) 79.9,63.67 80.3,63.27 81.55,63.27
  Bottom w0.2: v1(79.9,71.87) SW16.2
Net-(D17-Pad2): length 12.1
  Top w0.2: v1(79.82,54.92) 79.82,46.72 80.22,46.32 81.47,46.32
  Bottom w0.2: v1(79.82,54.92) 79.82,56.97
Net-(D18-Pad2): length 12.1
  Top w0.2: v1(79.85,37.92) 79.85,29.72 80.25,29.32 81.5,29.32
  Bottom w0.2: v1(79.85,37.92) 79.85,39.97
Net-(D19-Pad2): length 12.3
  Top w0.2: v1(70.95,8.07) 72.6,8.07
  Bottom w0.2: 70.95,18.67 v1(70.95,8.07)
Net-(D20-Pad2): length 11.8
  Top w0.2: 99.55,61.17 98.6,61.17 97.95,61.82 v1(97.95,69.72)
  Bottom w0.2: 97.95,71.8 v1(97.95,69.72)
Net-(D21-Pad2): length 12.1
  Top w0.2: 99.5,44.17 98.25,44.17 97.85,44.57 v1(97.85,52.77)
  Bottom w0.2: v1(97.85,52.77) 97.85,54.82
Net-(D22-Pad2): length 12.1
  Top w0.2: v1(97.85,35.8) 97.85,27.6 98.25,27.2 99.5,27.2
  Bottom w0.2: v1(97.85,35.8) 97.85,37.85
Net-(D23-Pad2): length 12.3
  Top w0.2: v1(97.95,5.95) 99.6,5.95
  Bottom w0.2: 97.95,16.55 v1(97.95,5.95)
Net-(D24-Pad2): length 11.6
  Top w0.2: D24.2 116.4,61.12 115.85,61.67 v1(115.85,69.37)
  Bottom w0.2: 115.9,71.37 115.9,69.42 v1(115.85,69.37)
Net-(D25-Pad2): length 12.1
  Top w0.2: 117.5,44.2 116.25,44.2 115.85,44.6 v1(115.85,52.8)
  Bottom w0.2: v1(115.85,52.8) 115.85,54.85
Net-(D26-Pad2): length 12.1
  Top w0.2: 117.5,27.22 116.25,27.22 115.85,27.62 v1(115.85,35.82)
  Bottom w0.2: v1(115.85,35.82) 115.85,37.87
Net-(D27-Pad2): length 12.2
  Top w0.2: 117.55,5.95 115.97,5.95 v1(115.95,5.97)
  Bottom w0.2: v1(115.95,5.97) 115.95,16.55
Net-(D28-Pad2): length 12.1
  Top w0.2: v1(133.85,71.92) 133.85,63.72 134.25,63.32 135.5,63.32
  Bottom w0.2: v1(133.85,71.92) 133.85,73.97
Net-(D29-Pad2): length 12.1
  Top w0.2: 135.5,46.27 134.25,46.27 133.85,46.67 v1(133.85,54.87)
  Bottom w0.2: v1(133.85,54.87) 133.85,56.92
Net-(D30-Pad2): length 12.1
  Top w0.2: 135.65,29.32 134.4,29.32 134,29.72 v1(134,37.92)
  Bottom w0.2: v1(134,37.92) 134,39.97
Net-(D32-Pad2): length 12.1
  Top w0.2: 153.5,63.32 152.25,63.32 151.85,63.72 v1(151.85,71.92)
  Bottom w0.2: v1(151.85,71.92) 151.85,73.97
Net-(D33-Pad2): length 12.1
  Top w0.2: v1(151.85,54.92) 151.85,46.72 152.25,46.32 153.5,46.32
  Bottom w0.2: v1(151.85,54.92) 151.85,56.97
Net-(D34-Pad2): length 12.1
  Top w0.2: v1(151.9,37.92) 151.9,29.72 152.3,29.32 153.55,29.32
  Bottom w0.2: v1(151.9,37.92) 151.9,39.97
Net-(D35-Pad2): length 12.1
  Top w0.2: 171.5,63.32 170.25,63.32 169.85,63.72 v1(169.85,71.92)
  Bottom w0.2: v1(169.85,71.92) 169.85,73.97
Net-(D36-Pad2): length 12.1
  Top w0.2: v1(169.85,54.92) 169.85,46.72 170.25,46.32 171.5,46.32
  Bottom w0.2: v1(169.85,54.92) 169.85,56.97
Net-(D37-Pad2): length 12.1
  Top w0.2: 171.55,29.27 170.3,29.27 169.9,29.67 v1(169.9,37.87)
  Bottom w0.2: v1(169.9,37.87) SW46.2
Net-(D38-Pad2): length 12.2
  Top w0.2: v1(169.85,8.07) 171.5,8.07
  Bottom w0.2: 169.85,18.67 v1(169.85,8.07)
Net-(D39-Pad2): length 12.1
  Top w0.2: 189.5,63.27 188.25,63.27 187.85,63.67 v1(187.85,71.87)
  Bottom w0.2: v1(187.85,71.87) 187.85,73.92
Net-(D40-Pad2): length 12.1
  Top w0.2: 189.45,46.27 188.2,46.27 187.8,46.67 v1(187.8,54.87)
  Bottom w0.2: v1(187.8,54.87) 187.8,56.92
Net-(D41-Pad2): length 12.1
  Top w0.2: 189.5,29.32 188.25,29.32 187.85,29.72 v1(187.85,37.92)
  Bottom w0.2: v1(187.85,37.92) 187.85,39.97
Net-(D42-Pad2): length 12.2
  Top w0.2: v1(187.85,8.07) 189.5,8.07
  Bottom w0.2: 187.85,18.67 v1(187.85,8.07)
Net-(D43-Pad2): length 12.1
  Top w0.2: v1(205.9,71.87) 205.9,63.67 206.3,63.27 207.55,63.27
  Bottom w0.2: v1(205.9,71.87) SW52.2
Net-(D44-Pad2): length 12.1
  Top w0.2: v1(205.9,54.92) 205.9,46.72 206.3,46.32 207.55,46.32
  Bottom w0.2: v1(205.9,54.92) 205.9,56.97
Net-(D45-Pad2): length 12.1
  Top w0.2: 207.6,29.27 206.35,29.27 205.95,29.67 v1(205.95,37.87)
  Bottom w0.2: v1(205.95,37.87) 205.95,39.92
Net-(D46-Pad2): length 12.2
  Top w0.2: v1(205.85,8.07) 207.5,8.07
  Bottom w0.2: 205.85,18.67 v1(205.85,8.07)
Net-(D48-Pad2): length 12.3
  Top w0.2: v1(142.95,8.07) 144.6,8.07
  Bottom w0.2: 142.95,18.67 v1(142.95,8.07)
Net-(J1-Pad3): length 113.6
  Top w0.2: v1(130.64,42.53) 130,41.9 130,26.72 131.6,25.12 U1.25 ; v1(201.55,41.07) 201.55,28.4 v1(201.49,28.33)
  Bottom w0.2: v1(201.55,41.07) 200.09,42.53 v1(130.64,42.53) ; v1(201.49,28.33) 202.49,27.32 206.65,27.32 208.42,25.55 J1.3
Net-(J1-Pad4): length 112
  Top w0.2: v1(130.8,27.82) 130.4,28.22 130.4,40.77 v1(131.45,41.82) ; v1(200.35,41.07) 200.35,28.58 v1(200.49,28.44) ; U1.24 132,23.72 131.7,23.42 130.65,23.42 130.52,23.29
  Bottom w0.2: v1(200.35,41.07) 199.6,41.82 v1(131.45,41.82) ; J1.4 205.88,25.44 204.75,26.57 202.25,26.57 200.49,28.34 v1(200.49,28.44) ; v1(130.6,23.29) 130.6,27.62 v1(130.8,27.82)
Net-(J3-PadA5): length 5.7
  Top w0.2: J3.A5 111.42,72.61 112.46,71.56 112.76,71.56 113.05,71.27 113.05,70.43 112.64,70.02 R6.1
Net-(J3-PadA6): length 13.9
  Top w0.2: J3.B6 109.42,72.54 109.29,72.41 108.99,72.41 108.82,72.24 108.82,71.74 v1(108.6,71.53) ; U3.1 111.15,67.67 110.45,68.37 110.45,70.57 110.89,71.02 v1(111.4,71.02) 111.4,71.36 110.42,72.34 J3.A6
  Bottom w0.2: v1(111.4,71.02) 111.15,71.26 108.86,71.26 v1(108.6,71.53)
Net-(J3-PadA7): length 14.5
  Top w0.2: 110.05,68.32 110,68.37 110,70.52 109.83,70.7 v1(109.83,71.96) 109.92,72.05 J3.A7 ; 110.05,68.37 109.25,67.57 U3.3 ; v1(112.35,70.72) 112.35,71.05 110.92,72.48 J3.B7
  Bottom w0.2: v1(109.83,71.96) 112.06,71.96 112.35,71.67 v1(112.35,70.72)
Net-(J3-PadB5): length 4.8
  Top w0.2: R7.1 108.55,69.97 107.6,70.92 107.6,71.52 108.42,72.33 J3.B5
Net-(J4-Pad1): length 55.1
  Top w0.2: U1.2 143.23,18.67 143.45,18.46 143.45,17.44 144.97,15.92 147.38,15.92 148.95,17.49 148.95,19.66 150.27,20.97 182.1,20.97 v1(182.85,20.22)
  Bottom w0.2: v1(182.85,20.22) J4.1
Net-(J4-Pad2): length 55.8
  Top w0.2: U1.3 143.4,19.07 143.85,18.62 143.85,17.61 145.13,16.32 147.22,16.32 148.55,17.66 148.55,19.82 150.1,21.37 184.8,21.37 185.39,21.96 J4.2
Net-(J4-Pad3): length 58.5
  Top w0.2: U1.4 143.75,19.47 144.25,18.97 144.25,17.77 145.3,16.72 147.05,16.72 148.15,17.82 148.15,19.99 149.93,21.77 178.45,21.77 181.5,24.82 186.55,24.82 186.8,24.57 186.83,24.57 J4.3
Net-(J4-Pad4): length 57
  Top w0.2: U1.5 144.21,19.87 145.01,20.67 148.27,20.67 149.77,22.17 178.28,22.17 181.33,25.22 188.72,25.22 J4.4
Net-(J4-Pad5): length 59.7
  Top w0.2: J4.5 190.86,25.62 181.17,25.62 178.12,22.57 149.6,22.57 148.1,21.07 144.85,21.07 144.05,20.27 U1.6
Net-(J4-Pad6): length 62.4
  Top w0.2: U1.7 143.88,20.67 144.68,21.47 147.85,21.47 149.35,22.97 177.95,22.97 181,26.02 193,26.02 J4.6
Net-(J4-Pad7): length 65.1
  Top w0.2: J4.7 195.14,26.42 180.61,26.42 177.56,23.37 149.02,23.37 147.52,21.87 144.52,21.87 143.72,21.07 U1.8
Net-(J4-Pad8): length 67.8
  Top w0.2: J4.8 200.6,23.47 197.25,26.82 180.45,26.82 177.4,23.77 148.85,23.77 147.35,22.27 144.35,22.27 143.55,21.47 U1.9
Net-(R2-Pad2): length 18.2
  Top w0.2: v1(147.5,24.02) 147.5,24.03 R2.2 ; U1.21 133.2,25.28 134.85,26.92 v1(134.95,26.92)
  Bottom w0.2: v1(134.95,26.92) 140.15,26.92 143.05,24.02 v1(147.5,24.02)
Net-(R3-Pad1): length 4.8
  Top w0.2: R3.1 131.3,13.97 131.45,14.12 131.45,15.52 132,16.07 U1.47
Net-(R4-Pad1): length 3.3
  Top w0.2: R4.1 130.9,15.02 131.04,15.17 131.04,15.68 131.6,16.24 U1.46
Net-(R5-Pad2): length 32.7
  Top w0.2: v1(163,17.57) 160,20.57 150.43,20.57 149.35,19.49 149.35,17.33 147.55,15.52 139.55,15.52 137.9,13.87 R5.2
  Bottom w0.2: v1(163,17.57) SW21.2

## Copper pours and planes (outline as drawn; the poured copper is in the pictures)
GND on Top, Bottom: 223.4,-2.53 -4.4,-2.53 -4.6,87.47 223.6,87.47

## Text on the board
B.Silkscreen: GPIO 0-7 | SWD
